# Allegro board 1155000-zp-dic_pda_8ch_board_v002.brd (continued)
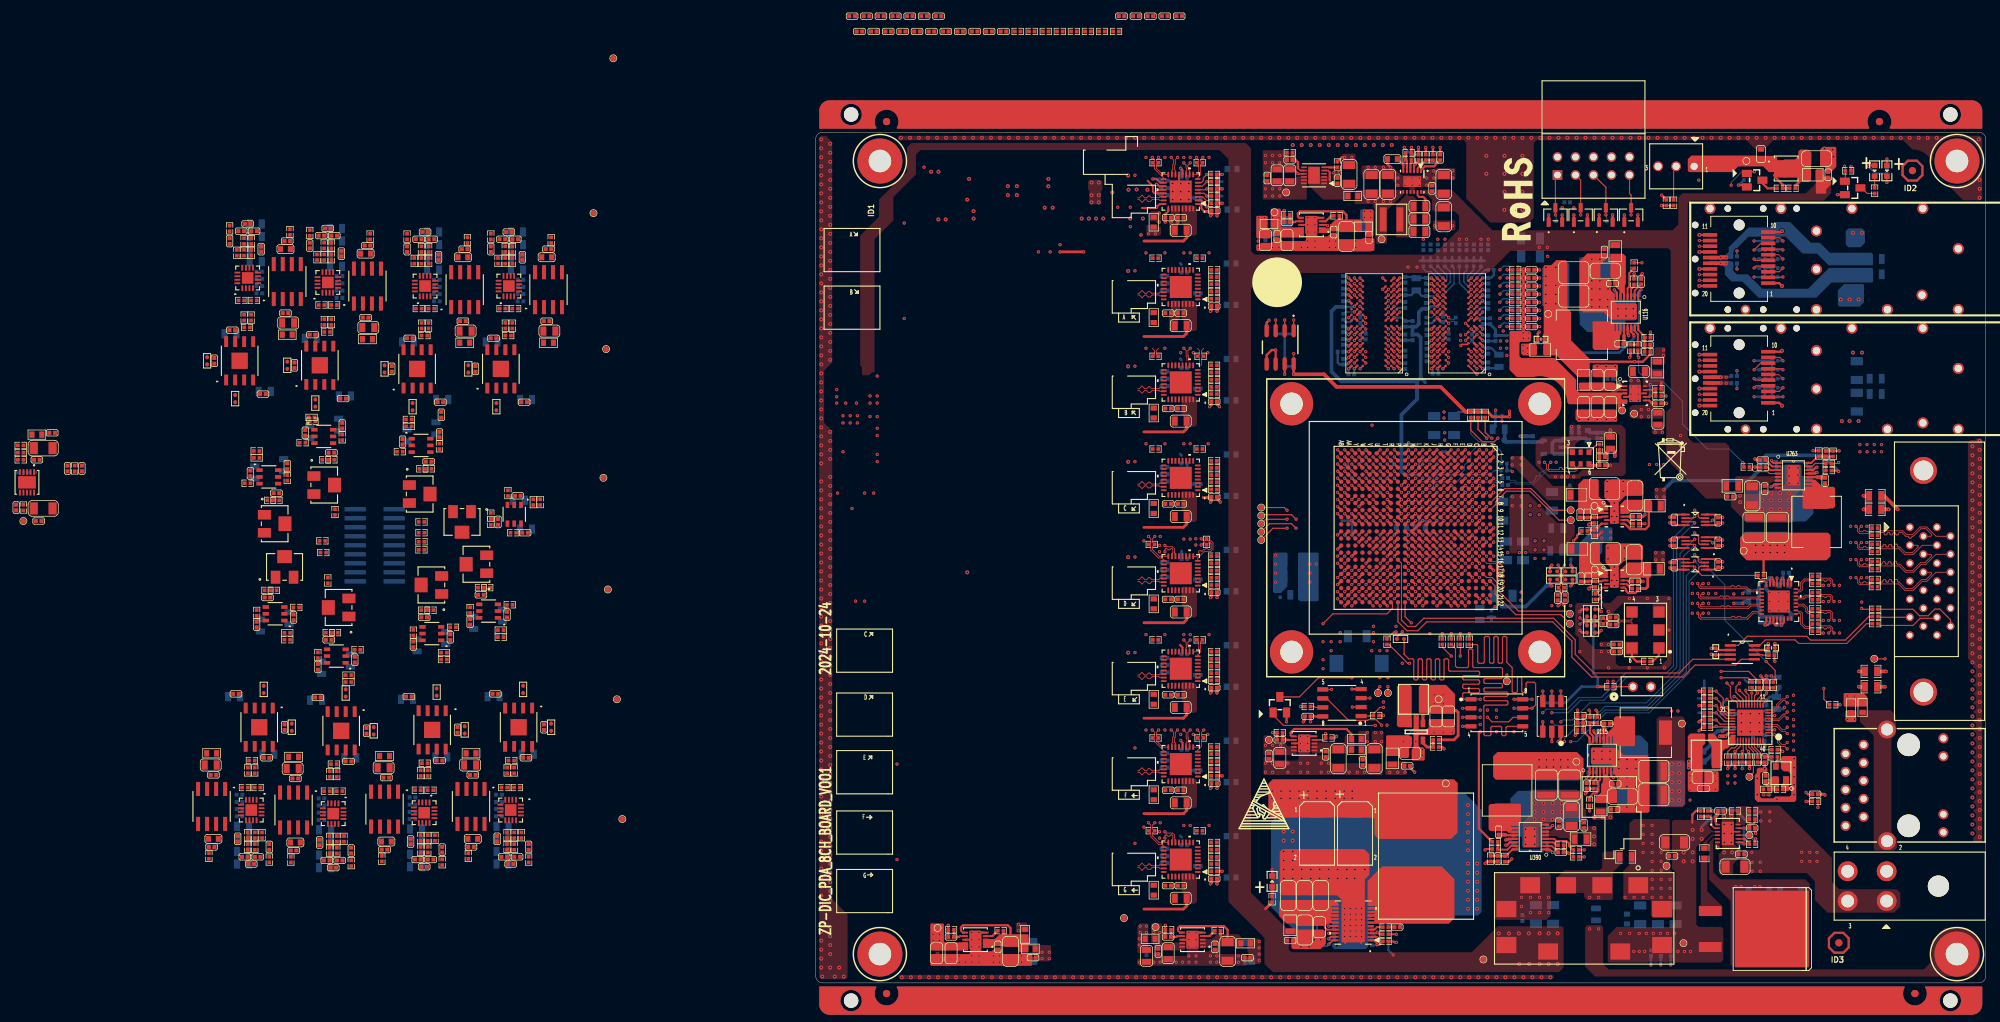
[diagram p0: board, top side]
## Routing (per net, layer and track width the routed paths; a pad name or vN(x,y) marks a point on that pad's centre or on a via; arc(x,y) is an arc through that point) (continued)
FPGA_PROG_B_R: length 18.2
  TOP w0.152: U1.M6 v1(84.6,70.19)
  BOTTOM w0.152: v1(84.6,70.19) 85.1,70.69 86.74,70.69 87.1,71.06 87.1,71.31 87.49,71.69 90.79,71.69 91.49,72.39 91.49,73.03 92.38,73.91 92.38,74.8 93.39,75.82 95.8,75.82 96.67,74.95 R42.2
FPGA_RESET: length 1.4
  TOP w0.152: U1.E8 v1(91.6,68.19)
  BOTTOM w0.152: v1(91.6,68.19) 91.11,68.69 R41.1
FPGA_SFP1_LOS: length 46.9
  TOP w0.152: v1(123.95,66.68) 124.46,66.17 124.46,65.79 124.68,65.57 U287.7 ; v1(132.32,103.38) 133.26,104.32 P3.8
  ART03 w0.102: v1(123.95,66.68) 123.95,76.91 129.33,82.3 129.33,88.27 127.59,90 127.59,96.94 131.11,100.46 131.11,102.17 v1(132.32,103.38)
  BOTTOM w0.152: R14.2 v1(132.32,103.38)
FPGA_SFP1_LOS_1V8: length 73.6
  TOP w0.152: v1(123.95,65.79) 123.73,65.57 U287.2 ; U1.K21 v1(85.61,55.19)
  ART08 w0.102: v1(102.54,38.12) 101.28,39.37 100,39.37 92.25,47.12 87.17,47.12 85.7,48.59 85.7,52.71 86.03,53.04 86.03,54.36 85.61,54.78 v1(85.61,55.19)
  BOTTOM w0.152: v1(102.54,38.12) 103.03,38.61 105.96,38.61 107.62,40.26 110.79,40.26 114.22,43.69 119.93,43.69 120.95,44.7 120.95,62.79 v1(123.95,65.79)
FPGA_SFP1_RX_N: length 56.6
  TOP w0.102: P3.12 v1(124.61,104.72) ; U1.G3 v1(89.6,73.19)
  ART08 w0.102: v1(124.61,104.72) 124.46,104.57 arc(124.41,104.53) 124.34,104.52 124.16,104.52 arc(123.95,104.48) 123.76,104.35 117.32,97.91 arc(116.79,97.12) 116.61,96.18 116.61,92.23 arc(116.47,91.54) 116.08,90.95 114.1,88.97 arc(113.31,88.45) 112.39,88.27 101.26,88.27 arc(100.03,88.02) 98.99,87.33 93.65,81.99 arc(92.97,80.97) 92.73,79.77 92.73,79.02 arc(92.63,78.53) 92.36,78.12 90.19,75.94 90.19,75.94 arc(90.05,75.74) 90,75.5 90,72.98 arc(89.95,72.85) 89.82,72.79 89.71,72.79 arc(89.63,72.82) 89.6,72.9 v1(89.6,73.19)
FPGA_SFP1_RX_P: length 56.6
  TOP w0.102: P3.13 v1(124.61,103.92) ; U1.G4 v1(89.6,72.19)
  ART08 w0.102: v1(124.61,103.92) 124.5,104.02 arc(124.4,104.09) 124.28,104.11 124.16,104.11 arc(124.1,104.1) 124.05,104.07 123.63,103.64 arc(123.6,103.58) 123.63,103.51 arc(123.65,103.45) 123.63,103.39 123.46,103.23 arc(123.4,103.2) 123.34,103.23 arc(123.27,103.25) 123.21,103.23 117.61,97.62 arc(117.17,96.96) 117.01,96.18 117.01,92.23 arc(116.84,91.38) 116.36,90.66 114.39,88.69 arc(113.47,88.07) 112.39,87.86 101.26,87.86 arc(100.19,87.65) 99.28,87.04 93.94,81.7 arc(93.35,80.81) 93.14,79.77 93.14,79.02 arc(93.01,78.37) 92.64,77.81 90.34,75.51 arc(90.24,75.36) 90.21,75.19 90.21,72.98 arc(90.09,72.7) 89.82,72.59 89.71,72.59 arc(89.63,72.56) 89.6,72.49 v1(89.6,72.19)
FPGA_SFP1_TX_DIS_1V8: length 76.2
  TOP w0.152: U49.7 123.78,61.86 v1(123.95,61.69) ; U1.M17 v1(84.6,58.19)
  ART08 w0.102: v1(84.6,58.19) 85,57.79 85,56.82 85.21,56.61 85.21,52.91 85.06,52.76 85.06,48.08 87.66,45.48 91.09,45.48 99.31,37.26 103.37,37.26 v1(103.81,36.83)
  BOTTOM w0.152: v1(103.81,36.83) 104.31,36.32 106.73,36.32 108,37.59 109.9,37.59 111.3,38.99 117.26,38.99 122.35,44.08 122.35,60.15 123.89,61.69 v1(123.95,61.69)
FPGA_SFP1_TX_DISABLE: length 48.2
  TOP w0.152: v1(136.39,100.84) 135.86,100.32 P3.3 ; v1(123.95,63.47) 124.51,62.91 124.51,62.01 124.66,61.86 U49.2
  ART03 w0.102: v1(136.39,100.84) 132.38,96.84 132.38,89.11 131.8,88.52 131.8,84.12 125.85,78.18 125.85,65.38 v1(123.95,63.47)
  BOTTOM w0.152: R12.2 v1(136.39,100.84)
FPGA_SFP1_TX_N: length 52.1
  TOP w0.102: U1.F1 v1(90.6,75.19) ; P3.19 v1(124.61,99.12)
  ART08 w0.102: v1(124.61,99.12) 124.71,99.22 arc(124.82,99.29) 124.93,99.31 125.11,99.31 arc(125.29,99.24) 125.37,99.05 125.37,97.31 arc(125.24,96.67) 124.89,96.14 124.38,95.63 arc(124.31,95.6) 124.23,95.63 arc(124.15,95.66) 124.08,95.63 123.94,95.5 arc(123.91,95.42) 123.94,95.35 arc(123.97,95.27) 123.94,95.19 123.81,95.06 arc(123.73,95.03) 123.65,95.06 arc(123.58,95.09) 123.5,95.06 123.37,94.92 arc(123.34,94.85) 123.37,94.77 arc(123.4,94.69) 123.37,94.62 123.23,94.48 arc(123.16,94.45) 123.08,94.48 arc(123,94.51) 122.93,94.48 122.79,94.35 arc(122.76,94.27) 122.79,94.2 arc(122.82,94.12) 122.79,94.04 121.93,93.18 arc(121.85,93.15) 121.77,93.18 arc(121.7,93.21) 121.62,93.18 121.49,93.04 arc(121.46,92.97) 121.49,92.89 arc(121.52,92.81) 121.49,92.74 121.35,92.6 arc(121.28,92.57) 121.2,92.6 arc(121.12,92.63) 121.05,92.6 120.91,92.47 arc(120.88,92.39) 120.91,92.32 arc(120.94,92.24) 120.91,92.16 115.42,86.67 arc(114.54,86.08) 113.51,85.88 101.93,85.88 arc(100.83,85.66) 99.9,85.04 97.12,82.26 arc(96.79,81.75) 96.67,81.16 96.67,80.81 arc(96.6,80.46) 96.4,80.16 92.8,76.56 arc(92.58,76.23) 92.5,75.85 92.5,75.13 arc(92.43,74.96) 92.27,74.9 92.16,74.9 arc(92.13,74.89) 92.09,74.87 92.05,74.82 arc(92.02,74.8) 91.98,74.79 90.71,74.79 arc(90.63,74.82) 90.6,74.9 v1(90.6,75.19)
FPGA_SFP1_TX_P: length 52.1
  TOP w0.102: U1.F2 v1(90.6,74.19) ; P3.18 v1(124.61,99.92)
  ART08 w0.102: v1(90.6,74.19) 90.6,74.49 arc(90.63,74.56) 90.71,74.59 91.98,74.59 arc(92.02,74.58) 92.05,74.56 92.09,74.52 arc(92.13,74.5) 92.16,74.49 92.27,74.49 arc(92.72,74.68) 92.91,75.13 92.91,75.85 arc(92.96,76.08) 93.09,76.28 96.69,79.88 arc(96.97,80.31) 97.07,80.81 97.07,81.16 arc(97.16,81.6) 97.41,81.97 100.19,84.75 arc(100.99,85.28) 101.93,85.47 113.51,85.47 arc(114.7,85.71) 115.7,86.38 125.17,95.85 arc(125.62,96.52) 125.78,97.31 125.78,99.05 arc(125.58,99.52) 125.11,99.72 124.93,99.72 arc(124.82,99.74) 124.71,99.81 v1(124.61,99.92)
FPGA_SFP1_VCCR: length 1.5
  TOP w0.508: v1(127.63,102.32) P3.15
  vias: v1(128.39,102.32)
FPGA_SFP1_VCCT: length 1.5
  TOP w0.508: P3.16 v1(127.63,101.52)
  vias: v1(128.39,101.52)
FPGA_SFP2_LOS: length 28.4
  TOP w0.152: U287.6 126.28,65.07 v1(126.49,65.28) ; v1(132.32,86.5) 133.26,87.43 P4.8
  ART03 w0.102: v1(126.49,65.28) 129.84,68.63 129.84,75.11 132.86,78.13 132.86,85.96 v1(132.32,86.5)
  BOTTOM w0.152: R2151.2 v1(132.32,86.5)
FPGA_SFP2_LOS_1V8: length 71.7
  TOP w0.152: v1(123.95,64.9) 123.78,65.07 U287.3 ; U1.K22 v1(85.61,53.19)
  ART08 w0.102: v1(85.61,53.19) 85.61,52.97 85.37,52.73 85.37,48.41 87.04,46.74 91.11,46.74 98.6,39.24 99.23,39.24 100.79,37.69 103.14,37.69 103.57,38.12 v1(103.81,38.12)
  BOTTOM w0.152: v1(103.81,38.12) 106.11,38.12 107.87,39.88 111.15,39.88 114.45,43.18 120.06,43.18 121.41,44.53 121.41,62.36 v1(123.95,64.9)
FPGA_SFP2_RX_N: length 41
  TOP w0.102: U1.C3 v1(93.6,73.19) ; P4.12 v1(124.61,87.83)
  ART08 w0.102: v1(93.6,73.19) 93.6,72.9 arc(93.63,72.82) 93.71,72.79 93.85,72.79 arc(93.96,72.84) 94,72.95 94,75.61 arc(94.04,75.8) 94.15,75.97 94.24,76.05 arc(94.57,76.28) 94.96,76.35 100.02,76.35 arc(101.02,76.55) 101.86,77.12 105.56,80.82 arc(106.58,81.5) 107.78,81.74 116.45,81.74 arc(117.43,81.93) 118.25,82.49 123.08,87.31 arc(123.44,87.55) 123.86,87.64 124.28,87.64 arc(124.4,87.66) 124.5,87.73 v1(124.61,87.83)
FPGA_SFP2_RX_P: length 41.1
  TOP w0.102: P4.13 v1(124.61,87.03) ; U1.C4 v1(93.6,72.19)
  ART08 w0.102: v1(124.61,87.03) 124.5,87.14 arc(124.4,87.2) 124.28,87.23 123.86,87.23 arc(123.59,87.18) 123.37,87.03 123.01,86.67 arc(122.97,86.57) 123.01,86.47 arc(123.05,86.38) 123.01,86.28 122.91,86.19 arc(122.82,86.15) 122.72,86.19 arc(122.63,86.23) 122.53,86.19 118.54,82.2 arc(117.58,81.56) 116.45,81.33 107.78,81.33 arc(106.74,81.12) 105.85,80.53 102.15,76.83 arc(101.17,76.18) 100.02,75.95 94.96,75.95 arc(94.72,75.9) 94.52,75.77 94.39,75.64 arc(94.25,75.43) 94.21,75.19 94.21,72.95 arc(94.1,72.7) 93.85,72.59 93.71,72.59 arc(93.63,72.56) 93.6,72.49 v1(93.6,72.19)
FPGA_SFP2_TX_DIS_1V8: length 76.4
  TOP w0.152: U49.6 123.73,62.36 v1(123.95,62.58) ; U1.M18 v1(84.6,57.19)
  ART08 w0.102: v1(84.6,57.19) 84.6,56.92 85,56.53 85,53 84.73,52.73 84.73,47.9 87.45,45.19 90.99,45.19 100.24,35.94 104.19,35.94 v1(105.08,36.83)
  BOTTOM w0.152: v1(123.95,62.58) 123.89,62.58 121.89,60.58 121.89,44.27 117.12,39.5 109.14,39.5 106.73,37.08 105.33,37.08 v1(105.08,36.83)
FPGA_SFP2_TX_DISABLE: length 30.2
  TOP w0.152: v1(126.49,62.07) 126.2,62.36 U49.3 ; v1(136.39,83.96) 135.86,83.43 P4.3
  ART03 w0.102: v1(136.39,83.96) 135.63,83.2 135.63,78.56 131.36,74.3 131.36,68.07 128.57,65.28 128.57,64.77 126.49,62.69 v1(126.49,62.07)
  BOTTOM w0.152: R2147.2 v1(136.39,83.96)
FPGA_SFP2_TX_N: length 39.6
  TOP w0.102: P4.19 v1(124.61,82.23) ; U1.B1 v1(94.6,75.19)
  ART08 w0.102: v1(94.6,75.19) 94.6,74.9 arc(94.63,74.82) 94.71,74.79 95.86,74.79 arc(95.9,74.8) 95.94,74.82 95.98,74.87 arc(96.01,74.89) 96.05,74.9 101.48,74.9 arc(102.24,75.05) 102.89,75.48 104.87,77.45 arc(105.47,77.86) 106.19,78 108.67,78 arc(109.13,78.09) 109.52,78.36 109.54,78.38 arc(110.08,78.74) 110.72,78.87 117.94,78.87 arc(118.03,78.9) 118.06,78.98 arc(118.09,79.06) 118.17,79.1 118.35,79.1 arc(118.43,79.06) 118.47,78.98 arc(118.5,78.9) 118.58,78.87 118.76,78.87 arc(118.84,78.9) 118.87,78.98 arc(118.91,79.06) 118.99,79.1 119.16,79.1 arc(119.24,79.06) 119.28,78.98 arc(119.31,78.9) 119.39,78.87 120.66,78.87 arc(120.73,78.9) 120.76,78.97 arc(120.79,79.04) 120.86,79.07 121.06,79.07 arc(121.13,79.04) 121.16,78.97 arc(121.19,78.9) 121.26,78.87 121.47,78.87 arc(121.54,78.9) 121.57,78.97 arc(121.6,79.04) 121.67,79.07 121.87,79.07 arc(121.95,79.04) 121.98,78.97 arc(122.01,78.9) 122.08,78.87 122.28,78.87 arc(122.35,78.9) 122.38,78.97 arc(122.41,79.04) 122.48,79.07 122.69,79.07 arc(122.76,79.04) 122.79,78.97 arc(122.82,78.9) 122.89,78.87 123.42,78.87 arc(124.06,78.99) 124.6,79.36 125.07,79.83 arc(125.29,80.16) 125.37,80.55 125.37,80.78 arc(125.34,80.86) 125.26,80.89 arc(125.18,80.92) 125.14,81.01 125.14,81.18 arc(125.18,81.26) 125.26,81.3 arc(125.34,81.33) 125.37,81.41 125.37,82.14 arc(125.28,82.34) 125.08,82.43 124.93,82.43 arc(124.82,82.41) 124.71,82.34 v1(124.61,82.23)
FPGA_SFP2_TX_P: length 39.4
  TOP w0.102: U1.B2 v1(94.6,74.19) ; P4.18 v1(124.61,83.03)
  ART08 w0.102: v1(94.6,74.19) 94.6,74.49 arc(94.63,74.56) 94.71,74.59 95.86,74.59 arc(95.9,74.58) 95.94,74.56 95.98,74.52 arc(96.01,74.5) 96.05,74.49 101.48,74.49 arc(102.4,74.67) 103.18,75.19 105.15,77.17 arc(105.63,77.49) 106.19,77.6 108.67,77.6 arc(109.28,77.72) 109.8,78.07 109.83,78.09 arc(110.24,78.37) 110.72,78.46 123.42,78.46 arc(124.21,78.62) 124.89,79.07 125.36,79.54 arc(125.67,80) 125.78,80.55 125.78,82.14 arc(125.57,82.63) 125.08,82.84 124.93,82.84 arc(124.82,82.86) 124.71,82.93 v1(124.61,83.03)
FPGA_SFP2_VCCR: length 1.5
  TOP w0.508: v1(127.63,85.43) P4.15
  vias: v1(128.39,85.43)
FPGA_SFP2_VCCT: length 1.5
  TOP w0.508: P4.16 v1(127.63,84.63)
  vias: v1(128.4,84.58)
FPGA_TCK: length 58.4
  TOP w0.152: v1(104.31,108.33) D2.3 104.31,113.68 J1.1 ; U1.K7 v1(86.6,69.19)
  ART03 w0.102: v1(86.6,69.19) 86.56,69.19 86.21,69.54 86.21,72.36 86.44,72.59 86.48,72.59 86.48,72.59 89.02,72.59 89.21,72.78 89.21,73.39 89.41,73.59 90.95,73.59 91.21,73.85 91.21,74.4 91.49,74.68 91.83,74.68 92.08,74.93 92.08,75.43 93.52,76.86 93.52,77.85 94.92,79.25 95.68,79.25 96.82,80.39 96.82,87.38 96.06,88.14 96.06,89.92 96.19,90.04 96.95,90.04 v1(97.46,90.55)
  ART08 w0.102: v1(104.31,108.33) 98.4,102.42 98.4,91.5 v1(97.46,90.55)
  BOTTOM w0.152: R456.2 104.42,108.22 v1(104.31,108.33)
FPGA_TDI: length 66.8
  TOP w0.152: J1.9 114.76,111.35 114.98,111.13 D5.3 v1(114.98,108.33) ; U1.K6 v1(86.6,70.19)
  ART03 w0.102: v1(86.6,70.19) 86.62,70.19 87.04,70.61 87.04,70.9 87,70.94 87,71.44 87.36,71.8 89.88,71.8 90.09,72.01 90.09,72.39 90.47,72.77 90.85,72.77 92.29,74.21 92.29,75.2 93.95,76.86 93.95,77.65 95.04,78.74 96.95,78.74 97.33,79.12 97.33,87.38 96.57,88.14 v1(96.57,89.54)
  ART08 w0.102: v1(96.57,89.54) 97.07,89.03 97.71,89.03 99.23,90.55 99.23,102.11 104.44,107.32 113.97,107.32 v1(114.98,108.33)
FPGA_TDO: length 59.4
  TOP w0.152: U1.J6 v1(87.6,70.19) ; v1(107.87,108.33) D3.3 107.87,113.24 J1.3
  ART03 w0.102: v1(87.6,70.19) 87.3,70.5 87.3,70.94 87.21,71.03 87.21,71.36 87.44,71.59 90.56,71.59 91,72.03 91,72.54 92.5,74.04 92.5,75.06 94.23,76.78 94.23,77.29 95.3,78.36 97.07,78.36 98.34,79.63 98.34,86.87 96.95,88.27 96.95,89.05 v1(97.44,89.54)
  ART08 w0.102: v1(97.44,89.54) 97.71,89.54 98.85,90.68 98.85,102.24 104.44,107.82 107.36,107.82 v1(107.87,108.33)
FPGA_TIMING_LVDS_EN: length 12.2
  TOP w0.152: U271.8 134.06,56.44 133.78,56.72 133.32,56.72 132.87,57.17 R2135.2 124.94,57.48 124.51,57.91 124.51,58.55 124.76,58.8 U286.2
FPGA_TIMING_LVDS_EN_1V8: length 72
  TOP w0.152: U286.7 123.78,58.8 v1(123.95,58.63) ; v1(83.99,50.8) 83.97,50.8 83.1,51.66 U1.N22
  ART08 w0.102: v1(83.99,50.8) 83.99,47.12 86.49,44.62 90.68,44.62 100.76,34.54 105.08,34.54 v1(105.58,34.04)
  BOTTOM w0.152: v1(105.58,34.04) 105.58,34.42 108,36.83 109.65,36.83 111.3,38.48 117.33,38.48 122.75,43.91 122.75,57.43 v1(123.95,58.63)
FPGA_TMS: length 66.2
  TOP w0.152: U1.L6 v1(85.6,70.19) ; v1(111.43,108.33) D4.3 111.43,112.22 J1.5
  ART03 w0.102: v1(85.6,70.19) 85.61,70.19 86,70.58 86,72.49 86.31,72.8 88.85,72.8 89,72.95 89,73.51 89.29,73.8 90.86,73.8 91,73.94 91,75.15 93.11,77.27 93.11,78.08 94.92,79.88 95.68,79.88 96.31,80.52 96.31,87.25 95.68,87.88 95.68,90.68 v1(96.95,91.95)
  ART08 w0.102: v1(111.43,108.33) 111.43,108.46 111.04,108.84 103.17,108.84 97.96,103.63 97.96,92.33 97.58,91.95 v1(96.95,91.95)
  BOTTOM w0.152: v1(111.43,108.33) 111.53,108.22 R455.2
INPUT_GND: length 6.3
  TOP w0.203: U112.10 129.38,21.33 v2(129.13,21.08)
  TOP w0.254: v1(132.55,21.08) 132.45,21.19 C1146.1
  TOP w0.381: v1(126.48,24.26) 126.47,24.28 R1063.2
  BOTTOM w0.381: C1140.2 v1(120.57,2.54) ; C1136.1 v1(117.78,2.54) ; C1145.1 v1(119.17,2.54)
  vias: v1(114.14,12.07) v1(115.41,12.07) v1(116.68,22.23) v1(116.68,20.96) v1(116.68,19.69) v1(116.68,18.42) v1(116.68,12.07) v1(117.95,22.23) v1(117.95,20.96) v1(117.95,19.69) v1(117.95,18.42) v1(117.95,17.15) v1(117.95,15.88) v1(117.95,14.61) v1(117.95,13.34) v1(117.95,12.07) v1(119.22,18.42) v1(119.22,17.15) v1(119.22,15.88) v1(119.22,14.61) v1(119.22,13.34) v1(119.22,12.07) v1(120.49,14.61) v1(120.49,13.34) v1(120.49,12.07) v2(128.11,23.5) v2(128.11,22.35) v2(128.11,21.08) v2(128.11,19.81) v2(128.11,18.42) v2(129.13,23.5) v2(129.13,22.35) v2(129.13,19.81) v2(129.25,18.42)
MGTAVCC: length 5
  TOP w0.305: U1.C6 v1(93.6,70.19) ; U1.G6 v1(89.6,70.19) ; U1.A6 v1(95.6,70.19) ; U1.E6 v1(91.6,70.19)
  BOTTOM w0.305: v1(91.6,70.19) 92.11,69.69 C426.1 ; v1(89.6,70.19) 90.11,69.69 C427.1 ; v1(93.6,70.19) 94.11,69.69 C144.1
  vias: v1(98.22,68.58) v1(98.22,67.31) v1(99.49,68.58) v1(99.49,67.31)
MGTAVCC_PG: length 14.9
  TOP w0.203: v1(110.71,55.63) 110.85,55.77 U118.5
  TOP w0.305: R1100.2 110.05,54.88 110.71,55.55 v1(110.71,55.63) ; v1(116.93,64.77) R1115.1
  ART06 w0.114: v1(116.93,64.77) 116.25,64.77 112.57,61.09 112.57,59.9 110.71,58.04 v1(110.71,55.63)
MGTAVTT: length 8.3
  TOP w0.305: U1.E2 v1(91.6,74.19) ; U1.A2 v1(95.6,74.19) ; U1.G2 v1(89.6,74.19) ; U1.C2 v1(93.6,74.19)
  TOP w0.381: v1(88.6,74.19) U1.H1
  BOTTOM w0.305: U1.A2 v1(95.6,74.19) ; v1(93.6,74.19) 94.08,73.72 C431.1
  BOTTOM w0.381: C430.1 90.11,73.69 v1(89.6,74.19) 88.87,74.93 88.34,74.93 R165.2 88.6,74.2 v1(88.6,74.19)
  vias: v1(98.22,74.04) v1(98.22,73.08) v1(99.49,74.04) v1(99.49,73.08)
MGTAVTT_PG: length 30.9
  TOP w0.152: U1.N17 v1(83.6,58.19)
  TOP w0.305: v1(106.85,62.36) 107.36,62.87 107.36,63.09 R1116.2
  ART08 w0.102: v1(83.6,58.19) 83.6,58.63 83.17,59.06 83.17,60.42 83.55,60.8 91.85,60.8 92.21,60.44 92.21,60.03 92.44,59.8 95.54,59.8 95.93,59.41 103.91,59.41 v1(106.85,62.36)
MGTVCCAUX: length 7.3
  BOTTOM w0.508: L287.2 97.16,76.67 TP146.1 97.35,76.31 C2489.2 C2488.1 102.45,76.31 U272.5
PMT_CHANNEL_SELECT_1: length 90.9
  TOP w0.152: J78.6 v1(105.08,41.15) ; U1.H10 v1(88.6,66.19)
  ART03 w0.102: v1(105.08,41.15) 105.58,40.64 110.47,40.64 111.11,40.01 117.57,40.01 127.4,49.83 127.4,55.65 126.16,56.9 123.49,56.9 121.2,59.18 121.2,69.49 v1(117.57,73.13)
  ART08 w0.102: v1(117.57,73.13) 116.96,72.52 103.31,72.52 100.9,70.1 96.19,70.1 95.88,69.8 94.48,69.8 94.15,69.47 94.15,69.09 92.76,67.69 90.34,67.69 90.09,67.44 90.09,66.93 89.84,66.68 89.33,66.68 88.85,66.19 v1(88.6,66.19)
  BOTTOM w0.152: 105.08,40.51 v1(105.08,41.15)
PMT_CHANNEL_SELECT_2: length 88.9
  TOP w0.152: U1.D9 v1(92.6,67.19) ; J78.5 v1(103.81,41.15)
  ART03 w0.102: v1(103.81,41.15) 104.7,40.25 110.31,40.25 110.95,39.62 117.84,39.62 127.68,49.45 127.68,55.88 126.28,57.28 123.62,57.28 121.59,59.31 121.59,69.98 118.58,72.98 v1(118.58,73.13)
  ART08 w0.102: v1(92.6,67.19) 92.77,67.19 94.28,68.71 94.79,68.71 95.04,68.96 95.04,69.22 95.42,69.59 101.11,69.59 103.76,72.24 117.7,72.24 v1(118.58,73.13)
  BOTTOM w0.152: 103.81,40.51 v1(103.81,41.15)
PMT_CHANNEL_SELECT_3: length 91.7
  TOP w0.152: J78.4 v1(102.54,41.15) ; U1.C9 v1(93.6,67.19)
  ART03 w0.102: v1(102.54,41.15) 103.81,39.88 110.16,39.88 110.79,39.24 119.93,39.24 127.99,47.29 127.99,56.07 126.32,57.73 123.61,57.73 121.97,59.38 121.97,70.76 v1(119.6,73.13)
  ART08 w0.102: v1(93.6,67.19) 94.87,68.45 95.55,68.45 96.31,69.22 101.27,69.22 102.98,70.93 110.22,70.93 110.79,71.5 117.98,71.5 v1(119.6,73.13)
  BOTTOM w0.152: 102.54,40.51 v1(102.54,41.15)
QSPI_CLK: length 23.7
  TOP w0.152: v1(94.73,37.47) 95.36,36.83 97.71,36.83 98.34,37.47 U102.6 ; R507.2 80.84,47.73 83.49,45.09 v1(83.74,45.09)
  ART08 w0.102: v1(83.74,45.09) 90.98,41.91 94.28,38.61 94.28,37.91 v1(94.73,37.47)
QSPI_CS_B: length 53.8
  TOP w0.152: R502.2 82.98,46.36 83.61,45.72 84.19,45.72 84.34,45.57 84.34,42.9 84.49,42.75 84.8,42.75 84.95,42.9 84.95,45.57 85.1,45.72 85.41,45.72 85.56,45.57 85.56,42.9 85.71,42.75 86.02,42.75 86.17,42.9 86.17,45.57 86.32,45.72 86.63,45.72 86.78,45.57 86.78,42.9 86.93,42.75 87.24,42.75 87.39,42.9 87.39,45.57 87.54,45.72 87.85,45.72 88,45.57 88,42.9 88.15,42.75 88.45,42.75 88.61,42.9 88.61,45.57 88.76,45.72 89.1,45.72 89.25,45.57 89.25,44.12 89.4,43.97 93.47,43.97 93.62,43.82 93.62,43.51 93.47,43.36 91.39,43.36 91.23,43.21 91.23,42.9 91.39,42.75 93.47,42.75 93.62,42.6 93.62,42.29 93.47,42.14 91.39,42.14 91.23,41.99 91.23,41.68 91.39,41.53 93.47,41.53 93.62,41.38 93.62,41.07 93.47,40.92 91.39,40.92 91.23,40.77 v1(91.23,40.01) U102.1
  BOTTOM w0.152: R496.2 v1(91.23,40.01)
QSPI_CS_B_R: length 14.2
  TOP w0.152: U1.L16 v1(85.6,59.19) ; v1(82.72,49.53) 81.96,48.77 R502.1
  ART08 w0.102: v1(85.6,59.19) 85.21,59.59 84.4,59.59 84.21,59.4 84.21,54.95 84,54.74 84,54.03 83.38,53.41 83.38,51.89 82.72,51.23 v1(82.72,49.53)
QSPI_MISO0: length 53.4
  TOP w0.152: U102.5 97.5,36.2 97.34,36.04 97.34,35.03 97.19,34.87 96.89,34.87 96.74,35.03 96.74,36.04 96.58,36.2 95.37,36.2 95.22,36.04 95.22,35.03 95.07,34.87 94.38,34.87 94.22,35.04 94.22,39.04 94.37,39.19 97.46,39.19 97.61,39.34 97.61,39.65 97.46,39.8 94.37,39.8 94.22,39.95 94.22,40.26 94.37,40.41 97.46,40.41 97.61,40.56 97.61,40.87 97.46,41.02 94.37,41.02 94.22,41.17 94.22,41.48 94.37,41.63 96.69,41.63 96.85,41.78 96.85,42.09 96.69,42.24 94.37,42.24 94.22,42.39 94.22,42.76 94.37,42.92 96.69,42.92 96.85,43.07 96.85,44.32 96.69,44.48 92.81,44.48 92.66,44.63 92.66,46.96 92.51,47.12 92.2,47.12 92.05,46.96 92.05,44.63 91.9,44.48 90.45,44.48 90.22,44.7 90.22,47.14 R503.2
QSPI_MISO1: length 53.3
  TOP w0.152: U102.2 v1(91.23,38.74) ; R505.2 88.36,47.37 v1(89.63,46.1)
  ART06 w0.114: v1(89.63,46.1) 90.09,45.64 90.4,45.64 90.6,45.44 90.6,45.13 90.48,45.02 87.21,45.02 87.09,44.9 87.09,44.67 87.21,44.56 90.48,44.56 90.6,44.44 90.6,44.22 90.48,44.1 87.21,44.1 87.09,43.99 87.09,43.76 87.21,43.64 90.48,43.64 90.6,43.53 90.6,43.3 90.48,43.19 87.21,43.19 87.09,43.07 87.09,42.84 87.21,42.73 90.48,42.73 90.6,42.62 90.6,42.39 90.48,42.27 87.21,42.27 87.09,42.16 87.09,41.93 87.21,41.82 90.48,41.82 90.6,41.7 90.6,40.09 90.48,39.98 89.75,39.98 89.64,40.09 89.64,41.08 89.5,41.22 89.3,41.22 89.18,41.11 89.18,40.09 89.07,39.98 87.97,39.98 87.85,39.87 87.85,38.16 87.97,38.05 88.89,38.05 89,38.16 89,39.48 89.11,39.6 89.34,39.6 89.46,39.48 89.46,38.16 89.57,38.05 89.8,38.05 89.91,38.16 89.91,39.48 90.03,39.6 90.26,39.6 90.37,39.48 90.37,38.16 90.49,38.05 91.12,38.05 91.23,38.16 v1(91.23,38.74)
QSPI_MISO2: length 48.8
  TOP w0.152: U102.3 v1(91.23,37.47) ; v1(90.9,46.1) R509.2
  ART06 w0.114: v1(90.9,46.1) 90.9,48.37 90.78,48.49 90.33,48.49 90.21,48.37 90.21,46.62 90.1,46.51 89.87,46.51 89.75,46.62 89.75,48.37 89.64,48.49 89.26,48.49 89.15,48.37 89.15,45.71 89.03,45.59 88.8,45.59 88.69,45.71 88.69,48.37 88.57,48.49 88.35,48.49 88.23,48.37 88.23,45.71 88.12,45.59 87.89,45.59 87.77,45.71 87.77,48.37 87.66,48.49 86.74,48.49 86.61,48.36 86.61,48.01 86.5,47.89 85.89,47.89 85.77,47.78 85.77,47.55 85.89,47.43 86.5,47.43 86.61,47.32 86.61,47.09 86.5,46.98 85.89,46.98 85.77,46.86 85.77,46.63 85.89,46.52 86.5,46.52 86.61,46.41 86.61,46.18 86.5,46.06 85.89,46.06 85.77,45.95 85.77,45.72 85.89,45.61 86.5,45.61 86.61,45.49 86.61,45.26 86.5,45.15 85.89,45.15 85.77,45.03 85.77,44.81 85.89,44.69 86.5,44.69 86.61,44.58 86.61,44.35 86.5,44.23 85.89,44.23 85.77,44.12 85.77,43.89 85.89,43.78 86.5,43.78 86.61,43.66 86.61,43.43 86.5,43.32 85.89,43.32 85.77,43.2 85.77,42.98 85.89,42.86 86.5,42.86 86.61,42.75 86.61,37.64 86.79,37.47 v1(91.23,37.47)
  BOTTOM w0.152: R497.2 v1(91.23,37.47)
QSPI_MISO3: length 48.7
  TOP w0.152: U102.7 v1(101.01,38.74) 101.04,38.74 101.52,39.22 101.52,42.21 101.32,42.42 100.35,42.42 100.17,42.24 100.17,41.1 100.02,40.95 99.72,40.95 99.56,41.1 99.56,43.03 99.41,43.18 99.11,43.18 98.95,43.03 98.95,41.1 98.8,40.95 98.37,40.95 98.22,41.1 98.22,44.48 97.46,45.24 97.46,48.72 97.31,48.88 97,48.88 96.85,48.72 96.85,45.24 96.7,45.09 96.39,45.09 96.24,45.24 96.24,48.72 96.09,48.88 95.78,48.88 95.63,48.72 95.63,45.24 95.48,45.09 95.17,45.09 95.02,45.24 95.02,48.72 94.87,48.88 94.43,48.88 94.28,48.72 94.28,45.24 94.13,45.09 93.51,45.09 93.36,45.24 93.36,47.58 93.2,47.73 R511.2
  BOTTOM w0.152: R498.2 v1(101.01,38.74)
RF_ENABLE: length 18.3
  TOP w0.152: U154.8 133.12,47.61 133.9,48.39 138.1,48.39 138.6,47.88 145.39,47.88 148.18,50.67 R2124.2
RF_ENABLE_1V8: length 59.6
  TOP w0.152: U1.P22 82.1,50.94 83.36,49.68 84.91,49.68 86.15,50.93 103.93,50.93 106.63,48.23 106.63,45.95 109.42,43.15 122.32,43.15 124,44.83 129.71,44.83 130.54,45.66 U154.5
RF_FAULT: length 22.2
  TOP w0.152: R2125.2 148.51,51.69 145.18,48.36 140.28,48.36 139.75,48.9 131.36,48.9 130.08,47.61 U154.1
RF_FAULT_1V8: length 61.1
  TOP w0.152: U1.P16 82.6,59.19 82.6,51.17 83.49,50.29 84.6,50.29 85.75,51.44 104.06,51.44 107.11,48.39 107.11,46.36 109.75,43.71 121.74,43.71 123.68,45.66 U154.4
RF_FPS_TRIGGER_N: length 62.4
  TOP w0.102: U271.12 133.17,54.05 133.05,54.17 124.76,54.17 124.51,54.42 124.51,54.81 v1(124.38,54.94) ; U1.H8 v1(88.6,68.19)
  ART03 w0.102: v1(88.6,68.19) 88.6,67.84 88.71,67.74 88.9,67.74 89,67.84 89,68.51 89.29,68.8 90.81,68.8 91.01,68.99 91.01,69.53 91.27,69.79 95.88,69.79 96.77,70.69 108.88,70.69 110.83,68.73 115.66,68.73 116.15,68.24 116.15,67.16 115.81,66.82 114.85,66.82 114.75,66.72 114.75,66.31 114.85,66.21 115.81,66.21 116.15,65.87 116.15,64.43 117.78,62.8 117.78,59.5 118.73,58.55 119.3,58.55 122.21,55.64 122.46,55.64 122.62,55.48 122.62,55.22 123.39,54.46 124.46,54.46 124.56,54.56 124.56,54.76 v1(124.38,54.94)
RF_FPS_TRIGGER_N_C: length 22.7
  TOP w0.102: R2216.2 141.34,54.28 141.61,54.55 142.08,54.55 142.25,54.37 142.48,54.37 142.66,54.55 143,54.55 143.16,54.4 143.16,54.11 v1(142.84,53.8)
  ART03 w0.102: v1(142.84,53.8) 143.02,53.62 143.02,53.25 143.36,52.91 145.63,52.91 146.2,53.48 146.2,54.46 146.83,55.09 150.99,55.09 151.09,54.99 151.09,54.89 151.19,54.79 151.39,54.79 151.49,54.89 151.49,54.99 151.6,55.09 151.8,55.09 151.9,54.99 151.9,54.89 152,54.79 152.21,54.79 152.31,54.89 152.31,54.99 152.41,55.09 152.61,55.09 152.71,54.99 152.71,54.89 152.81,54.79 153.02,54.79 153.12,54.89 153.12,54.99 153.22,55.09 154.66,55.09 155.85,56.29 156.6,56.29 157.25,55.64 157.25,55.49 157.15,55.39 J75.8
RF_FPS_TRIGGER_P: length 62.8
  TOP w0.102: U1.H9 v1(88.6,67.19) ; v1(125.14,54.94) 125.01,54.94 124.76,54.69 124.76,54.53 124.86,54.42 127.43,54.42 127.59,54.58 127.84,54.58 128,54.42 128.25,54.42 128.41,54.58 128.65,54.58 128.81,54.42 133.06,54.42 133.18,54.55 U271.11
  ART03 w0.102: v1(88.6,67.19) 88.6,67.44 88.71,67.54 88.99,67.54 89.21,67.76 89.21,68.43 89.37,68.59 90.9,68.59 91.21,68.9 91.21,69.45 91.35,69.59 95.96,69.59 96.65,70.28 108.71,70.28 110.66,68.33 115.49,68.33 115.74,68.07 115.74,67.33 115.64,67.22 114.69,67.22 114.35,66.88 114.35,66.14 114.69,65.8 115.64,65.8 115.74,65.7 115.74,64.26 117.37,62.64 117.37,59.33 118.56,58.14 119.13,58.14 123.22,54.05 124.62,54.05 124.96,54.39 124.96,54.76 v1(125.14,54.94)
RF_FPS_TRIGGER_P_C: length 22.7
  TOP w0.102: R2215.2 141.6,54.81 143.11,54.81 143.41,54.5 143.41,53.99 v1(143.6,53.8)
  ART03 w0.102: J75.21 158.07,55.39 156.76,56.69 155.68,56.69 154.49,55.5 146.67,55.5 145.79,54.63 145.79,53.64 145.46,53.31 143.53,53.31 143.43,53.42 143.43,53.62 v1(143.6,53.8)
RF_MOD_IN_FIXED_N: length 57.6
  TOP w0.102: U271.14 133.18,53.05 133.06,53.17 131.88,53.17 131.5,52.79 124.76,52.79 124.51,53.04 124.51,53.42 v1(124.38,53.54) ; U1.F8 v1(90.6,68.19)
  ART03 w0.102: v1(124.38,53.54) 124.56,53.37 124.56,53.2 124.38,53.02 122.79,53.02 122.37,53.45 122.37,53.59 122.43,53.65 122.43,53.79 122.28,53.94 122.14,53.94 122.08,53.88 121.94,53.88 121.79,54.02 121.79,54.17 121.85,54.23 121.85,54.37 121.71,54.51 121.56,54.51 121.5,54.45 121.36,54.45 121.22,54.6 121.22,54.74 121.28,54.8 121.28,54.95 121.13,55.09 120.99,55.09 120.93,55.03 120.79,55.03 120.09,55.73 120.09,55.87 120.14,55.92 120.14,56.06 119.99,56.2 119.85,56.2 119.8,56.16 119.66,56.16 118.79,57.02 118.33,57.02 116.63,58.72 116.63,61.72 113.84,64.52 112.31,64.52 107.23,69.6 97.2,69.6 96.74,69.13 96.59,69.13 96.53,69.19 96.39,69.19 96.25,69.05 96.25,68.9 96.31,68.84 96.31,68.7 96.16,68.56 96.02,68.56 95.96,68.62 95.81,68.62 95.67,68.47 95.67,68.33 95.73,68.27 95.73,68.12 95.5,67.89 95.4,67.89 95.3,67.79 95.29,67.79 90.23,67.79 90.08,67.95 90.08,68.09 90.18,68.19 v1(90.6,68.19)
